# KiCad board pcb-O40.kicad_pcb
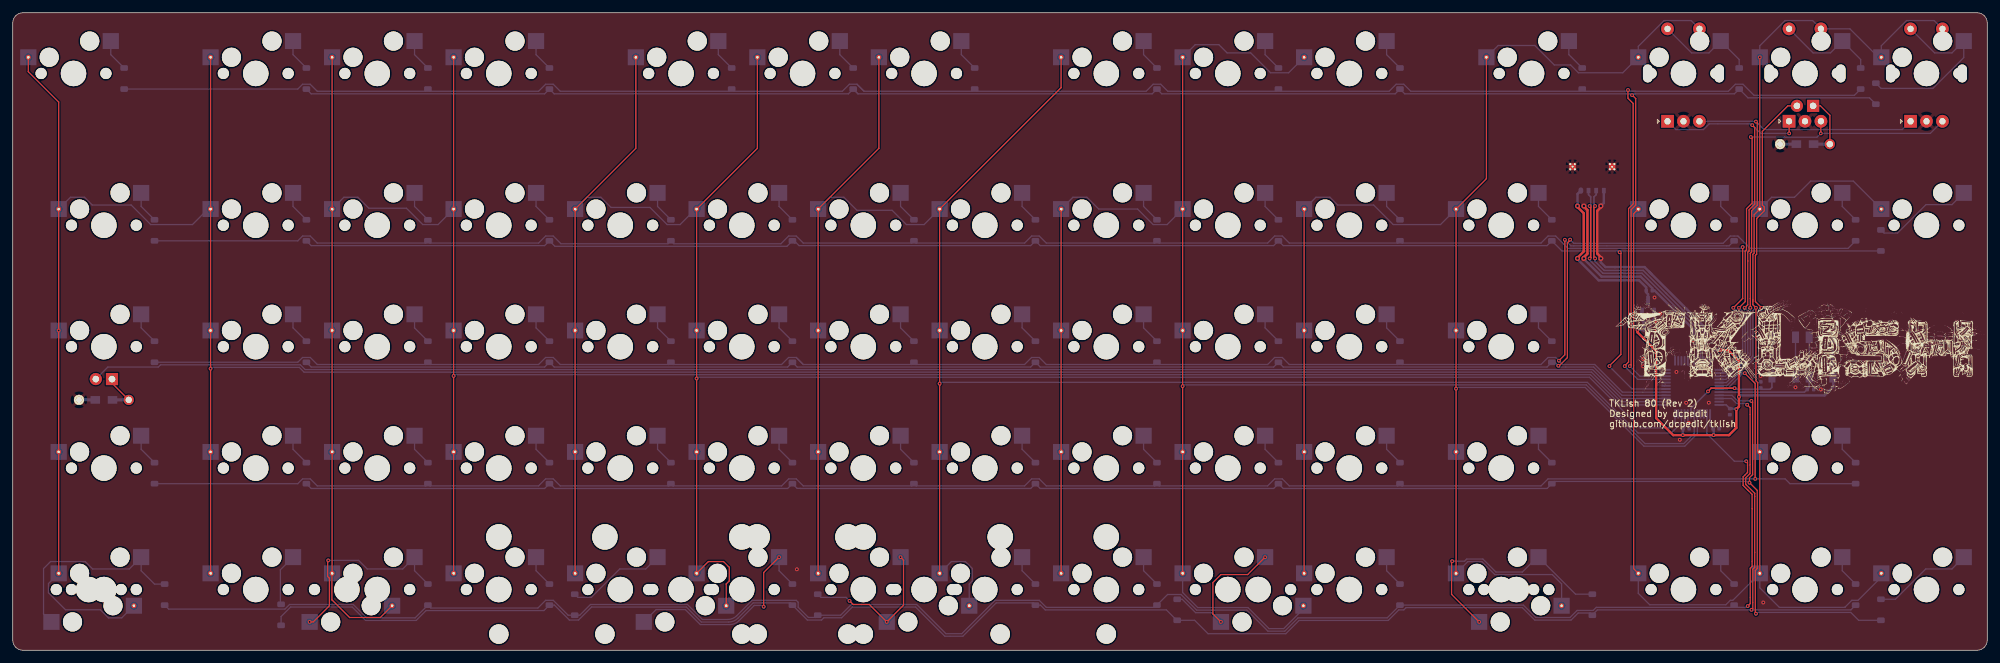
[diagram p0: board, top side]
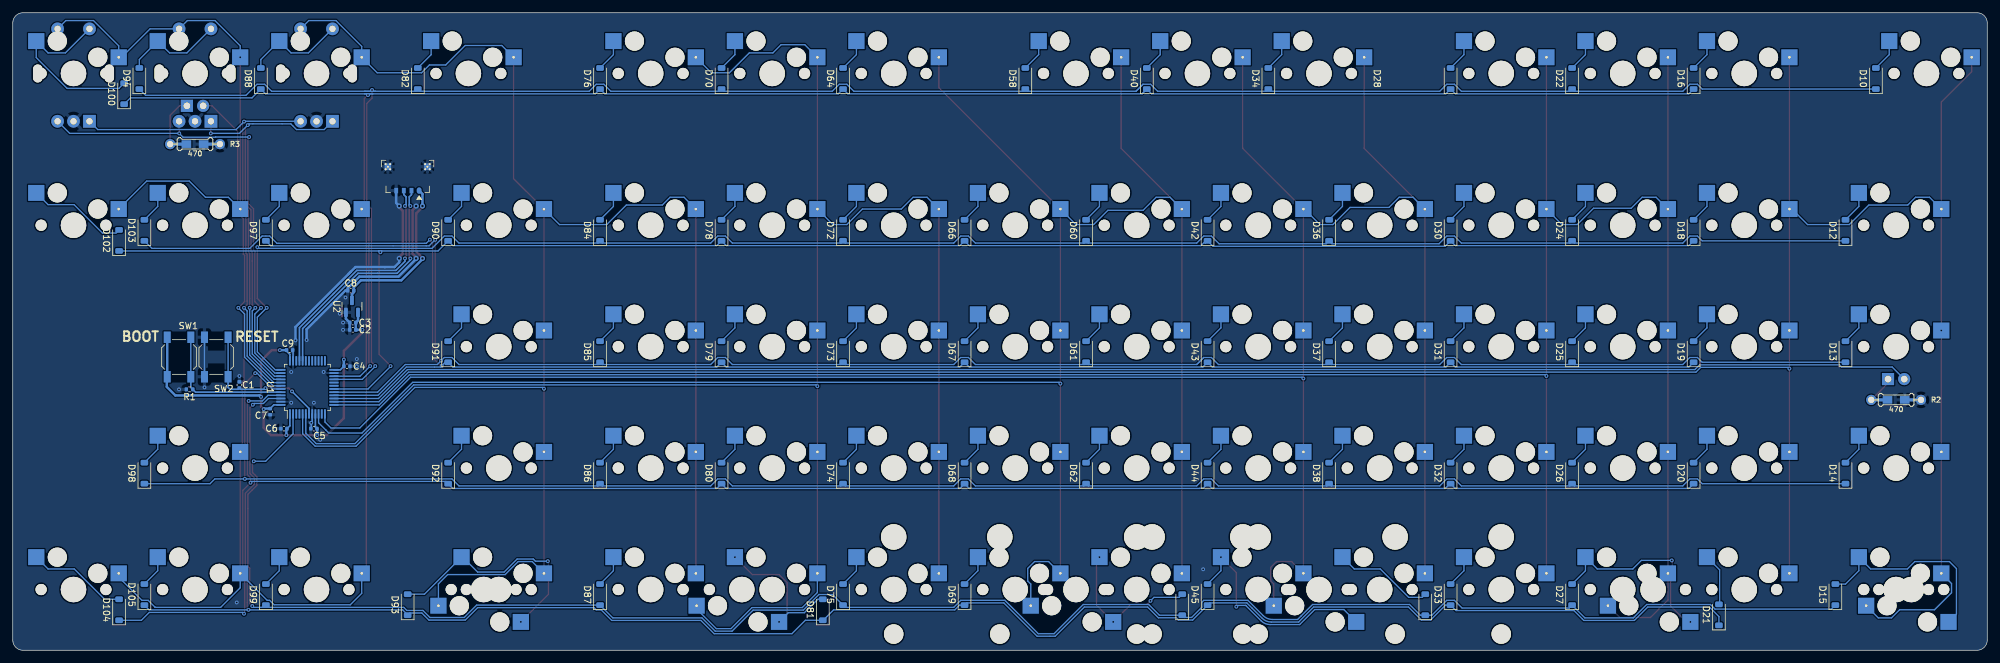
[diagram p1: board, bottom side, seen from below]

Outline 309.56 x 100.01 mm; copper layers: Top, Bottom. Coordinates in mm from the lower left corner of the outline.
Outline path: 0,98.42 0,1.59 arc(0.46,0.46) 1.59,0 307.98,0 arc(309.1,0.47) 309.56,1.59 309.56,98.42 arc(309.1,99.55) 307.98,100.01 1.59,100.01 arc(0.46,99.55) 0,98.42
Stack: Top 0.035mm / dielectric 1.51mm FR4 er 4.5 / Bottom 0.035mm

## Placement (name value [footprint] x y rotation side)
C1  100nF  [C_0402_1005Metric]  274.03 41.62 270 bottom
C2  4.7uF  [C_0402_1005Metric]  256.25 50.26 0 bottom
C3  100nF  [C_0402_1005Metric]  256.25 51.4 0 bottom
C4  100nF  [C_0402_1005Metric]  257.17 44.55 180 bottom
C5  100nF  [C_0402_1005Metric]  262.35 34.77 0 bottom
C6  100nF  [C_0402_1005Metric]  267.05 34.77 0 bottom
C7  100nF  [C_0402_1005Metric]  269.21 37.43 270 bottom
C8  1uF  [C_0402_1005Metric]  256.57 56.42 180 bottom
C9  1uF  [C_0402_1005Metric]  266.16 47.09 0 bottom
D10  ~  [D_SOD-123]  17.46 89.69 90 bottom
D12  ~  [D_SOD-123]  22.22 65.88 90 bottom
D13  ~  [D_SOD-123]  22.22 46.83 90 bottom
D14  ~  [D_SOD-123]  22.22 27.78 90 bottom
D15  ~  [D_SOD-123]  23.81 8.73 90 bottom
D16  ~  [D_SOD-123]  46.04 89.69 90 bottom
D18  ~  [D_SOD-123]  46.04 65.88 90 bottom
D19  ~  [D_SOD-123]  46.04 46.83 90 bottom
D20  ~  [D_SOD-123]  46.04 27.78 90 bottom
D21  ~  [D_SOD-123]  42.07 5.56 90 bottom
D22  ~  [D_SOD-123]  65.09 89.69 90 bottom
D24  ~  [D_SOD-123]  65.09 65.88 90 bottom
D25  ~  [D_SOD-123]  65.09 46.83 90 bottom
D26  ~  [D_SOD-123]  65.09 27.78 90 bottom
D27  ~  [D_SOD-123]  65.09 8.73 90 bottom
D28  ~  [D_SOD-123]  84.14 89.69 90 bottom
D30  ~  [D_SOD-123]  84.14 65.88 90 bottom
D31  ~  [D_SOD-123]  84.14 46.83 90 bottom
D32  ~  [D_SOD-123]  84.14 27.78 90 bottom
D33  ~  [D_SOD-123]  84.14 8.73 90 bottom
D34  ~  [D_SOD-123]  112.71 89.69 90 bottom
D36  ~  [D_SOD-123]  103.19 65.88 90 bottom
D37  ~  [D_SOD-123]  103.19 46.83 90 bottom
D38  ~  [D_SOD-123]  103.19 27.78 90 bottom
D39  ~  [D_SOD-123]  88.11 7.14 90 bottom
D40  ~  [D_SOD-123]  131.76 89.69 90 bottom
D42  ~  [D_SOD-123]  122.24 65.88 90 bottom
D43  ~  [D_SOD-123]  122.24 46.83 90 bottom
D44  ~  [D_SOD-123]  122.24 27.78 90 bottom
D45  ~  [D_SOD-123]  122.24 8.73 90 bottom
D58  ~  [D_SOD-123]  150.81 89.69 90 bottom
D60  ~  [D_SOD-123]  141.29 65.88 90 bottom
D61  ~  [D_SOD-123]  141.29 46.83 90 bottom
D62  ~  [D_SOD-123]  141.29 27.78 90 bottom
D63  ~  [D_SOD-123]  126.21 7.14 90 bottom
D64  ~  [D_SOD-123]  179.39 89.69 90 bottom
D66  ~  [D_SOD-123]  160.34 65.88 90 bottom
D67  ~  [D_SOD-123]  160.34 46.83 90 bottom
D68  ~  [D_SOD-123]  160.34 27.78 90 bottom
D69  ~  [D_SOD-123]  160.34 8.73 90 bottom
D70  ~  [D_SOD-123]  198.44 89.69 90 bottom
D72  ~  [D_SOD-123]  179.39 65.88 90 bottom
D73  ~  [D_SOD-123]  179.39 46.83 90 bottom
D74  ~  [D_SOD-123]  179.39 27.78 90 bottom
D75  ~  [D_SOD-123]  179.39 8.73 90 bottom
D76  ~  [D_SOD-123]  217.49 89.69 90 bottom
D78  ~  [D_SOD-123]  198.44 65.88 90 bottom
D79  ~  [D_SOD-123]  198.44 46.83 90 bottom
D80  ~  [D_SOD-123]  198.44 27.78 90 bottom
D81  ~  [D_SOD-123]  182.56 6.35 90 bottom
D82  ~  [D_SOD-123]  246.06 89.69 90 bottom
D84  ~  [D_SOD-123]  217.49 65.88 90 bottom
D85  ~  [D_SOD-123]  217.49 46.83 90 bottom
D86  ~  [D_SOD-123]  217.49 27.78 90 bottom
D87  ~  [D_SOD-123]  217.49 8.73 90 bottom
D88  ~  [D_SOD-123]  270.67 89.69 90 bottom
D90  ~  [D_SOD-123]  241.3 65.88 90 bottom
D91  ~  [D_SOD-123]  241.3 46.83 90 bottom
D92  ~  [D_SOD-123]  241.3 27.78 90 bottom
D93  ~  [D_SOD-123]  247.65 7.14 90 bottom
D94  ~  [D_SOD-123]  289.72 89.69 90 bottom
D97  ~  [D_SOD-123]  269.88 65.88 90 bottom
D98  ~  [D_SOD-123]  288.92 27.78 90 bottom
D99  ~  [D_SOD-123]  269.88 8.73 90 bottom
D100  ~  [D_SOD-123]  292.1 87.31 90 bottom
D102  ~  [D_SOD-123]  292.89 64.29 90 bottom
D103  ~  [D_SOD-123]  288.92 65.88 90 bottom
D104  ~  [D_SOD-123]  292.89 6.35 90 bottom
D105  ~  [D_SOD-123]  288.92 8.73 90 bottom
G***  LOGO  [logo_35]  280.8 45.47 0 top
J1  JST  [MOLEX_781710004_MountingReliefs]  247.65 72.11 0 bottom
MX10  MX-NoLED  [MXOnly-1U-Hotswap]  9.53 90.49 0 top
MX12  MX-NoLED  [MXOnly-1.5U-Hotswap]  14.29 66.67 0 top
MX13  MX-LED  [MXOnly-1.5U-Hotswap-LED]  14.29 47.62 0 top
MX14  MX-NoLED  [MXOnly-1.5U-Hotswap]  14.29 28.57 0 top
MX15  MX-NoLED  [MXOnly-1.5U-Hotswap]  14.29 9.53 0 top
MX15.125  MX-NoLED  [MXOnly-1.25U-Hotswap]  11.91 9.53 180 top
MX16  MX-NoLED  [MXOnly-1U-Hotswap]  38.1 90.49 0 top
MX18  MX-NoLED  [MXOnly-1U-Hotswap]  38.1 66.67 0 top
MX19  MX-NoLED  [MXOnly-1U-Hotswap]  38.1 47.62 0 top
MX20  MX-NoLED  [MXOnly-1U-Hotswap]  38.1 28.57 0 top
MX21  MX-NoLED  [MXOnly-1U-Hotswap]  38.1 9.53 0 top
MX22  MX-NoLED  [MXOnly-1U-Hotswap]  57.15 90.49 0 top
MX24  MX-NoLED  [MXOnly-1U-Hotswap]  57.15 66.67 0 top
MX25  MX-NoLED  [MXOnly-1U-Hotswap]  57.15 47.62 0 top
MX26  MX-NoLED  [MXOnly-1U-Hotswap]  57.15 28.57 0 top
MX27  MX-NoLED  [MXOnly-1U-Hotswap]  57.15 9.53 0 top
MX27.15  MX-NoLED  [MXOnly-1.5U-Hotswap]  52.39 9.53 180 top
MX28  MX-NoLED  [MXOnly-1U-Hotswap]  76.2 90.49 0 top
MX30  MX-NoLED  [MXOnly-1U-Hotswap]  76.2 66.67 0 top
MX31  MX-NoLED  [MXOnly-1U-Hotswap]  76.2 47.62 0 top
MX32  MX-NoLED  [MXOnly-1U-Hotswap]  76.2 28.57 0 top
MX33  MX-NoLED  [MXOnly-1U-Hotswap]  76.2 9.53 0 top
MX34  MX-NoLED  [MXOnly-1U-Hotswap]  104.78 90.49 0 top
MX36  MX-NoLED  [MXOnly-1U-Hotswap]  95.25 66.67 0 top
MX37  MX-NoLED  [MXOnly-1U-Hotswap]  95.25 47.62 0 top
MX38  MX-NoLED  [MXOnly-1U-Hotswap]  95.25 28.57 0 top
MX39  MX-NoLED  [MXOnly-1U-Hotswap]  95.25 9.53 0 top
MX40  MX-NoLED  [MXOnly-1U-Hotswap]  123.83 90.49 0 top
MX42  MX-NoLED  [MXOnly-1U-Hotswap]  114.3 66.67 0 top
MX43  MX-NoLED  [MXOnly-1U-Hotswap]  114.3 47.62 0 top
MX44  MX-NoLED  [MXOnly-1U-Hotswap]  114.3 28.57 0 top
MX45  MX-NoLED  [MXOnly-1U-Hotswap]  114.3 9.53 0 top
MX45.2  MX-NoLED  [MXOnly-2U-Hotswap]  104.78 9.53 180 top
MX58  MX-NoLED  [MXOnly-1U-Hotswap]  142.87 90.49 0 top
MX60  MX-NoLED  [MXOnly-1U-Hotswap]  133.35 66.67 0 top
MX61  MX-NoLED  [MXOnly-1U-Hotswap]  133.35 47.62 0 top
MX62  MX-NoLED  [MXOnly-1U-Hotswap]  133.35 28.57 0 top
MX63  MX-NoLED  [MXOnly-1U-Hotswap]  133.35 9.53 0 top
MX63.2  MX-NoLED  [MXOnly-2U-Hotswap]  142.87 9.53 180 top
MX64  MX-NoLED  [MXOnly-1U-Hotswap]  171.45 90.49 0 top
MX66  MX-NoLED  [MXOnly-1U-Hotswap]  152.4 66.67 0 top
MX67  MX-NoLED  [MXOnly-1U-Hotswap]  152.4 47.62 0 top
MX68  MX-NoLED  [MXOnly-1U-Hotswap]  152.4 28.57 0 top
MX69  MX-NoLED  [MXOnly-1U-Hotswap]  152.4 9.53 0 top
MX70  MX-NoLED  [MXOnly-1U-Hotswap]  190.5 90.49 0 top
MX72  MX-NoLED  [MXOnly-1U-Hotswap]  171.45 66.67 0 top
MX73  MX-NoLED  [MXOnly-1U-Hotswap]  171.45 47.62 0 top
MX74  MX-NoLED  [MXOnly-1U-Hotswap]  171.45 28.57 0 top
MX75  MX-NoLED  [MXOnly-1U-Hotswap]  171.45 9.53 0 top
MX76  MX-NoLED  [MXOnly-1U-Hotswap]  209.55 90.49 0 top
MX78  MX-NoLED  [MXOnly-1U-Hotswap]  190.5 66.67 0 top
MX79  MX-NoLED  [MXOnly-1U-Hotswap]  190.5 47.62 0 top
MX80  MX-NoLED  [MXOnly-1U-Hotswap]  190.5 28.57 0 top
MX81  MX-NoLED  [MXOnly-1U-Hotswap]  190.5 9.53 0 top
MX81.15  MX-NoLED  [MXOnly-1.5U-Hotswap]  195.26 9.53 180 top
MX82  MX-NoLED  [MXOnly-1U-Hotswap]  238.12 90.49 0 top
MX84  MX-NoLED  [MXOnly-1U-Hotswap]  209.55 66.67 0 top
MX85  MX-NoLED  [MXOnly-1U-Hotswap]  209.55 47.62 0 top
MX86  MX-NoLED  [MXOnly-1U-Hotswap]  209.55 28.57 0 top
MX87  MX-NoLED  [MXOnly-1U-Hotswap]  209.55 9.53 0 top
MX88  MX-NoLED  [MXOnly-1U-Hotswap]  261.94 90.49 0 top
MX90  MX-NoLED  [MXOnly-1.5U-Hotswap]  233.36 66.67 0 top
MX91  MX-NoLED  [MXOnly-1.5U-Hotswap]  233.36 47.62 0 top
MX92  MX-NoLED  [MXOnly-1.5U-Hotswap]  233.36 28.57 0 top
MX93  MX-NoLED  [MXOnly-1.5U-Hotswap]  233.36 9.53 0 top
MX93.125  MX-NoLED  [MXOnly-1.25U-Hotswap]  235.74 9.53 180 top
MX94  MX-LED  [MXOnly-1U-Hotswap-LED]  280.99 90.49 0 top
MX97  MX-NoLED  [MXOnly-1U-Hotswap]  261.94 66.67 0 top
MX98  MX-NoLED  [MXOnly-1U-Hotswap]  280.99 28.57 0 top
MX99  MX-NoLED  [MXOnly-1U-Hotswap]  261.94 9.53 0 top
MX100  MX-NoLED  [MXOnly-1U-Hotswap]  300.04 90.49 0 top
MX102  MX-NoLED  [MXOnly-1U-Hotswap]  300.04 66.67 0 top
MX103  MX-NoLED  [MXOnly-1U-Hotswap]  280.99 66.67 0 top
MX104  MX-NoLED  [MXOnly-1U-Hotswap]  300.04 9.53 0 top
MX105  MX-NoLED  [MXOnly-1U-Hotswap]  280.99 9.53 0 top
R1  10k  [R_0402_1005Metric]  281.84 40.93 180 bottom
R2  470  [Resistor-Hybrid-Back]  14.29 39.28 0 top
R3  470  [Resistor-Hybrid-Back]  280.99 79.4 0 top
REF**  3U  [MXOnly-3U-Hotswap]  152.4 9.53 180 top
REF**#2  3U  [MXOnly-3U-Hotswap]  95.25 9.53 180 top
SW1  RST  [SW_SPST_SKQG_WithoutStem]  283.5 46.01 90 bottom
SW2  RST  [SW_SPST_SKQG_WithoutStem]  277.65 46.01 90 bottom
SWR1  RotaryEncoder_Switch  [RotaryEncoder_EC11_Nonplated]  261.94 90.49 90 top
SWR2  RotaryEncoder_Switch  [RotaryEncoder_EC11_Nonplated]  280.99 90.49 90 top
SWR3  RotaryEncoder_Switch  [RotaryEncoder_EC11_Nonplated]  300.04 90.49 90 top
U1  STM32F072C8Tx  [LQFP-48_7x7mm_P0.5mm]  263.37 41.24 90 bottom
U2  XC6206PxxxMR-Regulator_Linear  [SOT-23]  256.38 53.95 90 bottom

## Library data of the parts
C1 C3-C7 = -: LCSC: C307331; ki_fp_filters: C_*
C2 = -: LCSC: C23733; ki_fp_filters: C_*
C8 C9 = -: LCSC: C52923; ki_fp_filters: C_*
D10 D12-D16 D18-D22 D24-D28 D30-D34 D36-D40 D42-D45 D58 D60-D64 D66-D70 D72-D76 D78-D82 D84-D88 D90-D94 D97-D100 D102-D105 = -: LCSC: C81598; ki_fp_filters: TO-???* *_Diode_* *SingleDiode* D_*
J1 = -: LCSC: C588524; ki_fp_filters: Connector*:*_1x??-1MP*
R1 = -: LCSC: C25744; ki_fp_filters: R_*
R2 R3 = -: ki_fp_filters: R_*
SW1 SW2 = -: LCSC: C318884
SWR1-SWR3 = -: ki_fp_filters: RotaryEncoder*Switch*
U1 = -: Datasheet: http://www.st.com/st-web-ui/static/active/en/resource/technical/document/datasheet/DM00090510.pdf; LCSC: C80488; ki_fp_filters: LQFP*7x7mm*P0.5mm*
U2 = -: Datasheet: https://www.torexsemi.com/file/xc6206/XC6206.pdf; LCSC: C5446; ki_fp_filters: SOT?23*

## Footprints (pads in the part's own frame, mm; a bottom-side part is the same pattern mirrored in y, then rotated)
C_0402_1005Metric
  rrect 0.56x0.62 smd: 1(-0.48,0) 2(0.48,0)
D_SOD-123
  rrect 0.9x1.2 smd: 1(-1.65,0) 2(1.65,0)
LQFP-48_7x7mm_P0.5mm
  rrect 1.475x0.3 smd: 1(-4.162,2.75) 2(-4.162,2.25) 3(-4.162,1.75) 4(-4.162,1.25) 5(-4.162,0.75) 6(-4.162,0.25) 7(-4.162,-0.25) 8(-4.162,-0.75) 9(-4.162,-1.25) 10(-4.162,-1.75) 11(-4.162,-2.25) 12(-4.162,-2.75) 25(4.162,-2.75) 26(4.162,-2.25) 27(4.162,-1.75) 28(4.162,-1.25) 29(4.162,-0.75) 30(4.162,-0.25) 31(4.162,0.25) 32(4.162,0.75) 33(4.162,1.25) 34(4.162,1.75) 35(4.162,2.25) 36(4.162,2.75)
  rrect 0.3x1.475 smd: 13(-2.75,-4.162) 14(-2.25,-4.162) 15(-1.75,-4.162) 16(-1.25,-4.162) 17(-0.75,-4.162) 18(-0.25,-4.162) 19(0.25,-4.162) 20(0.75,-4.162) 21(1.25,-4.162) 22(1.75,-4.162) 23(2.25,-4.162) 24(2.75,-4.162) 37(2.75,4.162) 38(2.25,4.162) 39(1.75,4.162) 40(1.25,4.162) 41(0.75,4.162) 42(0.25,4.162) 43(-0.25,4.162) 44(-0.75,4.162) 45(-1.25,4.162) 46(-1.75,4.162) 47(-2.25,4.162) 48(-2.75,4.162)
MOLEX_781710004_MountingReliefs
  rrect 0.75x1 smd: 1(-1.8,0)
  rect 0.6x0.85 smd: 2(-0.6,0) 3(0.6,0) 4(1.8,0)
  round 0.4 hole 0.3: MP(-3.45,-4.15) MP(-3.45,-3.35) MP(-3.1,-3.75) MP(-2.75,-4.15) MP(-2.75,-3.35) MP(2.75,-4.15) MP(2.75,-3.35) MP(3.1,-3.75) MP(3.45,-4.15) MP(3.45,-3.35)
  rect 1x1 smd far side: MP(-3.1,-3.75) MP(3.1,-3.75)
  rect 1x1 smd: MP(-3.1,-3.75) MP(3.1,-3.75)
MXOnly-1.5U-Hotswap
  round 1.75 hole 1.75 unplated: (-5.08,0) (5.08,0)
  round 3 hole 3 unplated: (-3.81,2.54) (2.54,5.08)
  round 3.988 hole 3.988 unplated: (0,0)
  round 0.8 hole 0.4: 1(-7.085,2.54)
  rect 2.55x2.5 smd far side: 1(-7.085,2.54) 2(5.842,5.08)
MXOnly-1.5U-Hotswap-LED
  round 1.75 hole 1.75 unplated: (-5.08,0) (5.08,0)
  round 3 hole 3 unplated: (-3.81,2.54) (2.54,5.08)
  round 3.988 hole 3.988 unplated: (0,0)
  rect 2.55x2.5 smd far side: 1(-7.085,2.54) 2(5.842,5.08)
  round 1.905 hole 1.04: 3(-1.27,-5.08)
  rect 1.905x1.905 hole 1.04: 4(1.27,-5.08)
MXOnly-1.25U-Hotswap
  round 1.75 hole 1.75 unplated: (-5.08,0) (5.08,0)
  round 3 hole 3 unplated: (-3.81,2.54) (2.54,5.08)
  round 3.988 hole 3.988 unplated: (0,0)
  round 0.8 hole 0.4: 1(-7.085,2.54)
  rect 2.55x2.5 smd far side: 1(-7.085,2.54) 2(5.842,5.08)
MXOnly-1U-Hotswap
  round 1.75 hole 1.75 unplated: (-5.08,0) (5.08,0)
  round 3 hole 3 unplated: (-3.81,2.54) (2.54,5.08)
  round 3.988 hole 3.988 unplated: (0,0)
  round 0.8 hole 0.4: 1(-7.085,2.54)
  rect 2.55x2.5 smd far side: 1(-7.085,2.54) 2(5.842,5.08)
MXOnly-1U-Hotswap-LED
  round 1.75 hole 1.75 unplated: (-5.08,0) (5.08,0)
  round 3 hole 3 unplated: (-3.81,2.54) (2.54,5.08)
  round 3.988 hole 3.988 unplated: (0,0)
  rect 2.55x2.5 smd far side: 1(-7.085,2.54) 2(5.842,5.08)
  round 1.905 hole 1.04: 3(-1.27,-5.08)
  rect 1.905x1.905 hole 1.04: 4(1.27,-5.08)
MXOnly-2U-Hotswap
  round 3.048 hole 3.048 unplated: (-11.938,6.985) (11.938,6.985)
  round 3.988 hole 3.988 unplated: (-11.938,-8.255) (0,0) (11.938,-8.255)
  round 1.75 hole 1.75 unplated: (-5.08,0) (5.08,0)
  round 3 hole 3 unplated: (-3.81,2.54) (2.54,5.08)
  round 0.8 hole 0.4: 1(-7.085,2.54)
  rect 2.55x2.5 smd far side: 1(-7.085,2.54) 2(5.842,5.08)
MXOnly-3U-Hotswap
  round 3.048 hole 3.048 unplated: (-19.05,6.985) (19.05,6.985)
  round 3.988 hole 3.988 unplated: (-19.05,-8.255) (19.05,-8.255)
R_0402_1005Metric
  rrect 0.54x0.64 smd: 1(-0.51,0) 2(0.51,0)
Resistor-Hybrid-Back
  rect 1.5x1.2 smd far side: 1(1.35,0) 2(-1.35,0)
  rect 2.9x0.5 smd far side: 1(2.5,0) 2(-2.5,0)
  round 1.6 hole 1: 1(3.9,0) 2(-3.9,0)
RotaryEncoder_EC11_Nonplated
  oval 3.2x2 hole 2.8x1.5 unplated: (0,5.6) (0,-5.6)
  rect 2x2 hole 1: A(-7.5,2.5)
  round 2 hole 1: B(-7.5,-2.5) C(-7.5,0) S1(7,-2.5) S2(7,2.5)
SOT-23
  rrect 1.475x0.6 smd: 1(-0.938,0.95) 2(-0.938,-0.95) 3(0.938,0)
SW_SPST_SKQG_WithoutStem
  rect 1.8x1.1 smd: 1(-3.1,1.85) 1(3.1,1.85) 2(-3.1,-1.85) 2(3.1,-1.85)

## Nets
+3V3: C2.1 C3.1 C4.1 C5.1 C6.1 C7.1 C9.2 SW1.1 U1.1 U1.9 U1.24 U1.36 U1.48 U2.2
+5V: C8.2 J1.1 U2.3
GND: C1.1 C2.2 C3.2 C4.2 C5.2 C6.2 C7.2 C8.1 C9.1 J1.4 J1.MP R1.1 R2.2 R3.2 SW2.1 SWR1.C SWR2.C SWR3.C U1.8 U1.23 U1.35 U1.47 U2.1
BOOT0: R1.2 SW1.2 U1.44
COL0: MX10.1 MX12.1 MX13.1 MX14.1 MX15.1 MX15.125.1 MX16.1 MX18.1 MX19.1 MX20.1 MX21.1 U1.14
COL1: MX22.1 MX24.1 MX25.1 MX26.1 MX27.1 MX27.15.1 MX28.1 MX30.1 MX31.1 MX32.1 MX33.1 U1.13
COL2: MX34.1 MX36.1 MX37.1 MX38.1 MX39.1 MX40.1 MX42.1 MX43.1 MX44.1 MX45.1 MX45.2.1 U1.12
COL4: MX58.1 MX60.1 MX61.1 MX62.1 MX63.1 MX63.2.1 MX64.1 MX66.1 MX67.1 MX68.1 MX69.1 U1.10
COL5: MX70.1 MX72.1 MX73.1 MX74.1 MX75.1 MX76.1 MX78.1 MX79.1 MX80.1 MX81.1 MX81.15.1 U1.6
COL6: MX82.1 MX84.1 MX85.1 MX86.1 MX87.1 MX88.1 MX90.1 MX91.1 MX92.1 MX93.1 MX93.125.1 SWR1.S1 U1.5
COL7: MX94.1 MX97.1 MX98.1 MX99.1 MX100.1 MX102.1 MX103.1 MX104.1 MX105.1 SWR2.S1 SWR3.S1 U1.41
D_N: J1.2 U1.32
D_P: J1.3 U1.33
LED_CAPS: MX13.3 U1.15
LED_SLCK: MX94.3 U1.42
NRST: C1.2 SW2.2 U1.7
RE1: SWR1.A SWR2.A U1.39
RE2: SWR1.B SWR3.A U1.40
RE3: SWR2.B SWR3.B U1.38
ROW0: D10.1 D22.1 D34.1 D58.1 D70.1 D82.1 D94.1 U1.21
ROW2: D12.1 D24.1 D36.1 D60.1 D72.1 D84.1 U1.37
ROW3: D13.1 D25.1 D37.1 D61.1 D73.1 D85.1 D97.1 U1.17
ROW4: D14.1 D26.1 D38.1 D62.1 D74.1 D86.1 D98.1 U1.43
ROW5: D15.1 D27.1 D39.1 D63.1 D75.1 D87.1 D99.1 U1.2
ROW6: D16.1 D28.1 D40.1 D64.1 D76.1 D88.1 D100.1 U1.22
ROW8: D18.1 D30.1 D42.1 D66.1 D78.1 D90.1 D102.1 U1.18
ROW9: D19.1 D31.1 D43.1 D67.1 D79.1 D91.1 D103.1 U1.16
ROW10: D20.1 D32.1 D44.1 D68.1 D80.1 D92.1 D104.1 U1.45
ROW11: D21.1 D33.1 D45.1 D69.1 D81.1 D93.1 D105.1 U1.46
SWDCLK: U1.31
SWDIO: U1.34
Net-(D10-A): D10.2 MX10.2
Net-(D12-A): D12.2 MX12.2
Net-(D13-A): D13.2 MX13.2
Net-(D14-A): D14.2 MX14.2
Net-(D15-A): D15.2 MX15.2 MX15.125.2
Net-(D16-A): D16.2 MX16.2
Net-(D18-A): D18.2 MX18.2
Net-(D19-A): D19.2 MX19.2
Net-(D20-A): D20.2 MX20.2
Net-(D21-A): D21.2 MX21.2
Net-(D22-A): D22.2 MX22.2
Net-(D24-A): D24.2 MX24.2
Net-(D25-A): D25.2 MX25.2
Net-(D26-A): D26.2 MX26.2
Net-(D27-A): D27.2 MX27.2 MX27.15.2
Net-(D28-A): D28.2 MX28.2
Net-(D30-A): D30.2 MX30.2
Net-(D31-A): D31.2 MX31.2
Net-(D32-A): D32.2 MX32.2
Net-(D33-A): D33.2 MX33.2
Net-(D34-A): D34.2 MX34.2
Net-(D36-A): D36.2 MX36.2
Net-(D37-A): D37.2 MX37.2
Net-(D38-A): D38.2 MX38.2
Net-(D39-A): D39.2 MX39.2
Net-(D40-A): D40.2 MX40.2
Net-(D42-A): D42.2 MX42.2
Net-(D43-A): D43.2 MX43.2
Net-(D44-A): D44.2 MX44.2
Net-(D45-A): D45.2 MX45.2 MX45.2.2
Net-(D58-A): D58.2 MX58.2
Net-(D60-A): D60.2 MX60.2
Net-(D61-A): D61.2 MX61.2
Net-(D62-A): D62.2 MX62.2
Net-(D63-A): D63.2 MX63.2 MX63.2.2
Net-(D64-A): D64.2 MX64.2
Net-(D66-A): D66.2 MX66.2
Net-(D67-A): D67.2 MX67.2
Net-(D68-A): D68.2 MX68.2
Net-(D69-A): D69.2 MX69.2
Net-(D70-A): D70.2 MX70.2
Net-(D72-A): D72.2 MX72.2
Net-(D73-A): D73.2 MX73.2
Net-(D74-A): D74.2 MX74.2
Net-(D75-A): D75.2 MX75.2
Net-(D76-A): D76.2 MX76.2
Net-(D78-A): D78.2 MX78.2
Net-(D79-A): D79.2 MX79.2
Net-(D80-A): D80.2 MX80.2
Net-(D81-A): D81.2 MX81.2 MX81.15.2
Net-(D82-A): D82.2 MX82.2
Net-(D84-A): D84.2 MX84.2
Net-(D85-A): D85.2 MX85.2
Net-(D86-A): D86.2 MX86.2
Net-(D87-A): D87.2 MX87.2
Net-(D88-A): D88.2 MX88.2 SWR1.S2
Net-(D90-A): D90.2 MX90.2
Net-(D91-A): D91.2 MX91.2
Net-(D92-A): D92.2 MX92.2
Net-(D93-A): D93.2 MX93.2 MX93.125.2
Net-(D94-A): D94.2 MX94.2 SWR2.S2
Net-(D97-A): D97.2 MX97.2
Net-(D98-A): D98.2 MX98.2
Net-(D99-A): D99.2 MX99.2
Net-(D100-A): D100.2 MX100.2 SWR3.S2
Net-(D102-A): D102.2 MX102.2
Net-(D103-A): D103.2 MX103.2
Net-(D104-A): D104.2 MX104.2
Net-(D105-A): D105.2 MX105.2
Net-(MX13-LEDGND): MX13.4 R2.1
Net-(MX94-LEDGND): MX94.4 R3.1

Pads without a net: U1 3 4 11 19 20 25 26 27 28 29 30

## Via types
v1: diameter 0.6, hole 0.3, Top to Bottom, 82 vias
v2: diameter 0.8, hole 0.4, Top to Bottom, 6 vias

## Routing (per net, layer and track width the routed paths; a pad name or vN(x,y) marks a point on that pad's centre or on a via; arc(x,y) is an arc through that point)
+3V3: length 86.4
  Top w0.381: v1(254.73,50.26) 254.73,49.88 257.65,46.96 v1(257.65,45.59) 257.65,36.42 260.32,33.75 v1(261.84,33.75) v1(266.67,33.75) 269.08,33.75 270.22,34.89 v1(270.22,37.81) 270.64,38.23 v1(270.64,39.75) 270.64,45.4 268.95,47.09 v1(267.68,47.09)
  Bottom w0.254: C9.2 266.64,46.93 266.12,46.41 U1.36 ; C6.1 266.12,35.22 U1.1 ; U1.48 268.63,38.49 C7.1 ; C4.1 258.2,43.99 U1.24 ; U1.9 262.12,35.01 C5.1
  Bottom w0.381: SW1.1 SW1.1 ; v1(257.65,45.59) C4.1 ; C5.1 261.84,34.74 v1(261.84,33.75) ; 255.43,53.01 255.43,51.75 C3.1 C2.1 v1(254.73,50.26) ; C6.1 266.67,34.67 v1(266.67,33.75) ; v1(270.22,37.81) 270.13,37.91 C7.1 ; v1(270.64,39.75) 270.86,39.98 284.07,39.98 285.41,41.32 285.41,42.91 ; v1(267.68,47.09) C9.2
+5V: length 26.3
  Top w0.381: v2(245.32,61.47) 245.32,61.59 246.3,62.56 246.3,68.55 245.32,69.52 v2(245.32,69.69)
  Bottom w0.381: C8.2 256.09,56.93 254.98,58.04 248.64,58.04 245.32,61.35 v2(245.32,61.47) ; 256.09,56.14 256.38,55.85 256.38,54.88 ; v2(245.32,69.69) 245.32,71.59 J1.1
GND: length 81.1
  Top w0.381: v2(246.32,61.47) 246.32,61.67 246.88,62.23 246.88,69.06 246.32,69.61 v2(246.32,69.69) ; v2(248.98,61.47) 248.98,61.67 248.42,62.23 248.42,68.93 248.98,69.48 v2(248.98,69.69)
  Bottom w0.2: SW2.1 SW2.1
  Bottom w0.254: U1.35 265.62,47.02 C9.1 ; U1.8 262.62,35.83 v1(262.76,35.69) 262.76,34.83 C5.2
  Bottom w0.381: 262.83,35.62 v1(262.76,35.69) ; v1(263.49,48.67) 263.49,50.35 257.42,56.42 C8.1 257.05,56.79 255.22,58.62 249.1,58.62 246.32,61.39 v2(246.32,61.47) 246.32,61.32 ; 256.59,59.36 265.24,50.7 v1(265.24,48.61) 265.13,48.72 ; 256.59,59.36 256.97,58.98 ; 256.59,59.36 255.84,60.11 249.71,60.11 248.98,60.85 v2(248.98,61.47) ; C2.2 C3.2 257.33,52 257.33,53.01 ; v2(248.98,69.69) 249.45,70.17 J1.4
  vias: v1(122.94,12.7) v1(255.62,45.69) v1(255.62,44.55) v1(257.4,55.34) v1(257.78,51.4) v1(257.78,50.26) v1(258.29,52.8) v1(260.83,43.66) v1(261.37,33.02) v1(262.35,38.83) v1(265.91,43.66) v1(265.91,38.83) v1(274.03,43.02) v1(274.45,7.49) v1(279.5,41.24) v1(283.5,40.93)
BOOT0: length 22.3
  Bottom w0.2: SW1.2 SW1.2
  Bottom w0.254: U1.44 280.9,40.49 R1.2 281.65,41.24 SW1.2
COL0: length 441.3
  Top w0.2: MX16.1 MX18.1 MX19.1 31.01,44.2 ; MX10.1 2.44,90.76 7.2,86 MX12.1 v1(7.2,50.17) MX14.1 MX15.1 ; 31.01,44.2 MX20.1 MX21.1 ; 31.01,44.2 v1(31.01,44.18)
  Bottom w0.2: MX18.1 30.61,69.21 28.17,66.78 21.63,66.78 18.56,69.85 12.46,69.85 11.24,71.06 9.05,71.06 MX12.1 ; U1.14 252.16,38.99 247.52,43.63 45.67,43.63 44.92,44.38 31.22,44.38 v1(31.01,44.18) ; MX15.125.1 17.09,5.08 15,5.08 13.73,6.35 8.27,6.35 5.6,9.02 5.6,10.46 MX15.1
COL1: length 392.2
  Top w0.2: 69.11,43.05 MX31.1 MX30.1 MX28.1 ; 69.11,43.05 MX32.1 MX33.1 ; 69.11,43.05 v1(69.11,43.03) ; MX27.15.1 57.62,5.13 52.81,5.13 50.04,7.9 50.04,12.04 MX27.1 MX26.1 MX25.1 MX24.1 MX22.1
  Bottom w0.2: MX30.1 66.68,66.78 64.28,66.78 61.72,69.34 55.83,69.34 54.11,71.06 51.91,71.06 MX24.1 ; U1.13 252.09,38.49 247.36,43.23 69.31,43.23 v1(69.11,43.03)
COL2: length 363.4
  Top w0.2: 107.22,42.67 MX44.1 MX45.1 109.06,13.92 111.43,13.92 112.34,13.01 112.34,10.88 111.86,10.4 MX45.2.1 ; 107.22,42.67 v1(107.22,42.63) ; 107.22,42.67 MX43.1 MX42.1 116.74,78.74 MX40.1 ; MX39.1 MX38.1 MX37.1 MX36.1 97.69,78.74 MX34.1
  Bottom w0.2: MX36.1 90.01,71.06 92.21,71.06 93.8,69.47 99.9,69.47 102.59,66.78 104.63,66.78 107.06,69.21 MX42.1 ; v1(107.22,42.63) 107.41,42.83 247.19,42.83 255.15,34.87 259.68,34.87 260.62,35.81 U1.12
COL4: length 330.8
  Top w0.2: MX64.1 164.36,88.26 MX66.1 MX67.1 145.31,41.53 ; 145.31,41.53 v1(145.31,41.83) ; 145.31,41.53 MX68.1 MX69.1 ; MX58.1 135.79,78.74 MX60.1 MX61.1 MX62.1 MX63.1
  Bottom w0.2: MX66.1 142.88,66.78 140.1,66.78 137.86,69.02 132.35,69.02 130.31,71.06 128.11,71.06 MX60.1 ; U1.10 261.62,35.68 260.48,34.54 260.01,34.07 254.82,34.07 246.86,42.03 145.52,42.03 v1(145.31,41.83) ; MX63.2.1 149.96,10.39 150.44,10.87 150.44,12.83 149.36,13.92 147.16,13.92 MX69.1
COL5: length 297.3
  Top w0.2: 183.41,41.4 MX79.1 MX78.1 MX70.1 ; 183.41,41.4 v1(183.41,41.43) ; 183.41,41.4 MX80.1 MX81.1 ; MX72.1 MX73.1 MX74.1 MX75.1
  Bottom w0.2: U1.6 263.62,34.05 261.98,32.42 255.9,32.42 246.69,41.63 183.61,41.63 v1(183.41,41.43) ; MX81.15.1 202.35,6.48 199.26,3.4 196.95,3.4 193.65,6.69 185.78,6.69 183.41,9.06 MX81.1 ; MX78.1 180.98,66.78 178.79,66.78 176.36,69.22 170.26,69.22 168.41,71.06 166.22,71.06 MX72.1 ; MX70.1 185.38,95 189.1,95 190.38,93.72 194.08,93.72 197.21,90.59 200.03,90.59 MX76.1
COL6: length 276.2
  Top w0.2: 226.28,41.02 MX92.1 MX93.1 ; 226.28,41.02 v1(226.28,41.03) ; 226.28,41.02 MX91.1 MX90.1 231.04,73.98 MX82.1 ; MX87.1 MX86.1 MX85.1 MX84.1
  Bottom w0.2: SWR1.S1 263.14,98.79 258.9,98.79 254.85,94.74 MX88.1 252.42,90.59 245.46,90.59 244.24,91.82 241.68,91.82 238.62,94.88 232.89,94.88 MX82.1 ; U1.5 264.12,33.99 262.15,32.02 255.74,32.02 246.53,41.23 226.48,41.23 v1(226.28,41.03) ; MX93.125.1 242.83,10.42 241.37,11.87 232.36,11.87 230.32,13.91 228.13,13.91 MX93.1 ; MX84.1 204.31,71.06 206.51,71.06 207.72,69.85 213.36,69.85 216.43,66.78 223.84,66.78 MX90.1
COL7: length 266
  Top w0.2: MX97.1 254.13,68.49 254.13,12.79 MX99.1 ; 272.81,54.99 272.81,54.21 v1(273.3,53.72) 273.3,42.28 273.58,42 273.58,31.35 273.81,31.12 MX98.1 MX105.1 ; 272.82,54.74 272.82,62.11 273.02,62.31 273.02,68.33 MX103.1 v1(273.9,93.03)
  Bottom w0.2: U1.41 268.66,41.99 272.81,46.15 272.81,53.23 v1(273.3,53.72) ; MX103.1 275.75,71.06 279.35,71.06 281.88,73.61 288.56,73.61 MX102.1 ; v1(273.9,93.03) 273.9,94.83 277.86,98.79 282.19,98.79 SWR2.S1 288.03,97.49 292.49,93.03 MX100.1 292.95,94.83 296.91,98.79 301.24,98.79 SWR3.S1 ; MX99.1 254.85,8.93 256.65,7.13 268.58,7.13 269.28,7.83 269.67,7.83 MX105.1 273.9,9.8 276.97,6.73 287.27,6.73 287.27,6.78 288.33,7.83 289.31,7.83 292.95,11.48 MX104.1
D_N: length 37.6
  Top w0.254: v1(247.22,69.69) 247.4,69.52 247.4,61.64 v1(247.22,61.47)
  Bottom w0.254: v1(247.22,69.69) 247.4,69.86 247.4,71.13 247.05,71.47 J1.2 ; v1(247.22,61.47) 247.22,61.22 249.31,59.14 255.44,59.14 264.12,50.46 U1.32
D_P: length 37.5
  Top w0.254: v1(248.08,61.47) 247.9,61.64 247.9,69.52 v1(248.08,69.69)
  Bottom w0.254: v1(248.08,69.69) 247.9,69.86 247.9,71.13 248.25,71.47 J1.3 ; U1.33 264.62,50.6 255.62,59.59 249.5,59.59 248.08,61.02 v1(248.08,61.47)
LED_CAPS: length 249.3
  Bottom w0.2: MX13.3 14.9,44.43 22.82,44.43 23.17,44.78 45.09,44.78 45.84,44.03 247.69,44.03 252.23,39.49 U1.15
LED_SLCK: length 51.5
  Top w0.2: v1(274.19,53.72) 273.22,54.7 273.22,61.95 273.42,62.15 273.42,67.74 274.6,68.93 274.6,69.55 274.3,69.85 274.3,81.4 278.31,85.41 MX94.3
  Bottom w0.2: U1.42 268.73,41.49 273.21,45.98 273.21,52.74 v1(274.19,53.72)
NRST: length 23.1
  Top w0.254: v1(265.78,40.61) 266.29,41.12 v1(269.95,41.12)
  Bottom w0.2: SW2.2 SW2.2
  Bottom w0.254: SW2.2 275.8,41.23 275.52,40.95 274.23,40.95 C1.2 273.84,40.95 270.12,40.95 v1(269.95,41.12) ; U1.7 263.12,37.95 v1(265.78,40.61)
RE1: length 65.4
  Top w0.2: v1(271.53,53.72) 272.02,54.21 272.02,61.09 272.02,62.44 272.22,62.65 272.22,69.09 273.1,69.98 273.1,82 v1(272.72,82.38) ; SWR2.A 278.51,82.96 v1(278.51,81.09)
  Bottom w0.2: v1(271.53,53.72) 272.02,53.23 272.02,46.48 268.53,42.99 U1.39 ; v1(278.51,81.09) 274.02,81.09 v1(272.72,82.38) 272.52,82.59 265.98,82.59 265.08,81.69 260.74,81.69 SWR1.A
RE2: length 77.8
  Top w0.2: v1(272.41,53.72) 272.41,55.16 272.42,55.16 272.42,62.28 272.62,62.48 272.62,68.92 273.5,69.8 273.5,82.73 v1(273.3,82.93)
  Bottom w0.2: SWR3.A 296.24,81.69 274.55,81.69 v1(273.3,82.93) 273.25,82.99 SWR1.B ; U1.40 268.6,42.49 272.41,46.31 v1(272.41,53.72)
RE3: length 73.9
  Top w0.2: SWR2.B 283.46,82.96 v1(283.46,81.09) ; v1(270.64,53.72) 271.62,54.7 271.62,62.61 271.82,62.81 271.82,69.26 272.7,70.14 272.7,80.32 v1(272.5,80.52) 272.54,80.52 272.7,80.36
  Bottom w0.2: v1(272.5,80.52) 277.75,80.52 277.78,80.49 282.86,80.49 v1(283.46,81.09) 300.64,81.09 SWR3.B ; U1.38 268.47,43.49 271.62,46.64 271.62,52.74 v1(270.64,53.72)
ROW0: length 334.6
  Top w0.2: v1(253.24,87.89) 253.24,86.59 254.05,85.78 254.05,70.02 253.33,69.29 253.33,45.23 252.73,44.63 v1(252.73,44.58)
  Bottom w0.2: 254.38,87.69 252.73,87.69 ; 254.38,87.69 253.44,87.69 v1(253.24,87.89) 253.04,87.69 252.73,87.69 ; 254.38,87.69 268.97,87.69 270.07,88.79 271.27,88.79 273,87.06 288.74,87.06 D94.1 ; 252.73,87.69 246.41,87.69 D82.1 245.71,87.69 219.19,87.69 218.09,88.79 216.89,88.79 215.79,87.69 198.79,87.69 D70.1 198.09,87.69 181.09,87.69 179.99,88.79 178.79,88.79 177.69,87.69 151.16,87.69 D58.1 150.46,87.69 133.46,87.69 ; 133.46,87.69 132.36,88.79 ; 133.46,87.69 132.36,88.79 ; 132.36,88.79 131.16,88.79 130.06,87.69 113.06,87.69 D34.1 112.36,87.69 85.84,87.69 84.74,88.79 83.54,88.79 82.44,87.69 65.44,87.69 D22.1 64.74,87.69 47.74,87.69 46.64,88.79 45.44,88.79 44.69,88.04 D10.1 ; U1.21 254.77,42.49 252.73,44.53 v1(252.73,44.58)
ROW2: length 278.9
  Top w0.2: v1(271.22,63.24) 271.22,55.19 271.21,55.18 ; 271.21,55.18 v1(269.75,53.72) ; 271.21,55.18 271.22,55.19
  Bottom w0.2: v1(269.75,53.72) 271.22,52.25 271.22,46.81 268.4,43.99 U1.37 ; v1(271.22,63.24) 271.02,63.04 243.84,63.04 241.9,64.98 240.7,64.98 239.6,63.88 217.84,63.88 217.49,64.23 217.14,63.88 200.14,63.88 199.04,64.98 197.84,64.98 196.74,63.88 179.74,63.88 179.39,64.23 179.04,63.88 162.04,63.88 160.94,64.98 159.74,64.98 158.64,63.88 141.64,63.88 141.29,64.23 140.94,63.88 123.94,63.88 122.84,64.98 121.64,64.98 120.43,63.77 103.65,63.77 103.19,64.23 102.73,63.77 85.94,63.77 84.74,64.98 83.54,64.98 82.44,63.88 65.44,63.88 65.09,64.23 64.74,63.88 47.74,63.88 46.64,64.98 45.44,64.98 44.69,64.23 22.22,64.23
ROW3: length 293.8
  Top w0.2: v1(243.34,64.39) 243.34,46.36 v1(242.4,45.43)
  Bottom w0.2: 123.94,44.83 140.94,44.83 D61.1 141.29,45.15 141.6,44.83 158.64,44.83 159.74,45.93 160.94,45.93 162.04,44.83 179.04,44.83 D73.1 179.74,44.83 196.74,44.83 197.84,45.93 199.04,45.93 200.14,44.83 217.14,44.83 D85.1 217.49,45.15 217.8,44.83 239.6,44.83 240.7,45.93 241.9,45.93 v1(242.4,45.43) 243,44.83 248.02,44.83 252.36,40.49 U1.17 ; 123.94,44.83 122.84,45.93 ; 123.94,44.83 122.84,45.93 ; 122.84,45.93 121.64,45.93 120.54,44.83 103.54,44.83 D37.1 102.84,44.83 85.84,44.83 84.74,45.93 83.54,45.93 82.44,44.83 65.44,44.83 D25.1 64.74,44.83 47.74,44.83 46.64,45.93 45.44,45.93 44.69,45.18 D13.1 ; 269.88,64.23 269.09,63.44 244.28,63.44 v1(243.34,64.39)
ROW4: length 295.7
  Top w0.2: v1(271.55,43.47) 273.18,41.84 v1(273.18,26.88)
  Bottom w0.2: U1.43 268.79,40.99 271.27,43.47 v1(271.55,43.47) ; D98.1 278.63,26.13 277.88,26.88 v1(273.18,26.88) 240.7,26.88 239.6,25.78 217.8,25.78 217.49,26.1 D86.1 217.14,25.78 200.14,25.78 199.04,26.88 197.84,26.88 196.74,25.78 179.74,25.78 D74.1 179.04,25.78 162.04,25.78 160.94,26.88 159.74,26.88 158.64,25.78 141.64,25.78 D62.1 140.94,25.78 123.94,25.78 122.84,26.88 121.64,26.88 120.54,25.78 103.54,25.78 D38.1 102.84,25.78 85.84,25.78 84.74,26.88 83.54,26.88 82.44,25.78 65.44,25.78 D26.1 64.74,25.78 47.74,25.78 46.64,26.88 45.44,26.88 44.69,26.13 D14.1
ROW5: length 303.7
  Top w0.2: v1(272.01,6.93) 272.4,7.32 272.4,12.86 272.7,13.16 272.7,24.45 271.29,25.87 271.29,27.2 271.98,27.89 271.98,29.45 v1(271.78,29.65)
  Bottom w0.2: v1(271.78,29.65) 269.92,29.65 265.62,33.95 U1.2 ; D15.1 24.44,6.46 42.67,6.46 43.4,7.18 53.39,7.18 55.49,5.08 63.09,5.08 D27.1 65.55,6.62 82.33,6.62 83.54,7.83 84.74,7.83 87.08,5.49 D39.1 88.89,5.49 90.58,7.18 105.77,7.18 108.13,4.83 112.09,4.83 arc(112.85,4.98) 113.5,5.41 115.92,7.83 122.84,7.83 123.14,7.53 123.14,6.75 124.74,5.14 125.86,5.14 D63.1 129.79,5.49 131.47,7.18 141.72,7.18 146.3,2.59 148.78,2.59 154.02,7.83 160.94,7.83 162.04,6.73 179.04,6.73 D75.1 181.06,8.75 183.16,8.75 185.62,6.29 193.49,6.29 196.79,3 199.43,3 201.51,5.08 215.49,5.08 D87.1 236.84,7.08 238.79,5.13 244.15,5.13 245.26,6.24 247.78,6.24 248.26,6.73 269.52,6.73 D99.1 270.23,6.73 271.81,6.73 v1(272.01,6.93)
ROW6: length 302.1
  Top w0.2: v1(253.87,87.09) 253.9,87.09 254.45,86.54 254.45,69.85 253.73,69.13 253.73,44.78 v1(253.53,44.58)
  Bottom w0.2: D40.1 132.51,87.29 ; D40.1 131.01,87.29 84.89,87.29 D28.1 83.39,87.29 46.79,87.29 D16.1 ; D40.1 132.51,87.29 ; 132.51,87.29 178.64,87.29 D64.1 180.14,87.29 216.74,87.29 D76.1 218.24,87.29 253.11,87.29 ; v1(253.53,44.58) 255.11,42.99 U1.22 ; 253.11,87.29 253.67,87.29 v1(253.87,87.09) 254.07,87.29 254.38,87.29 ; 253.11,87.29 254.38,87.29 ; D100.1 291.1,86.66 272.05,86.66 D88.1 269.92,87.29 254.38,87.29
ROW8: length 280.7
  Top w0.2: v1(250.33,44.58) 250.33,44.63 252.13,46.43 252.13,62.24 v1(251.93,62.44)
  Bottom w0.2: v1(250.33,44.58) 250.33,44.53 253.87,40.99 U1.18 ; 251.71,62.64 242.89,62.64 241.3,64.23 240.55,63.48 199.19,63.48 198.44,64.23 197.69,63.48 161.09,63.48 160.34,64.23 159.59,63.48 123.27,63.48 122.52,64.23 ; 251.71,62.64 252.22,62.64 ; 251.71,62.64 251.91,62.44 v1(251.93,62.44) 252.13,62.64 252.22,62.64 ; 46.04,64.23 46.79,63.48 83.39,63.48 84.14,64.23 85,63.37 121.38,63.37 122.24,64.23 122.64,63.83 ; 252.22,62.64 D102.1
ROW9: length 285.8
  Top w0.2: v1(244.16,64.41) 244.01,64.26 244.01,64.16 243.74,63.88 243.74,45.91 242.46,44.63 v1(242.32,44.63)
  Bottom w0.2: U1.16 252.29,39.99 247.85,44.43 242.52,44.43 v1(242.32,44.63) 241.77,45.18 D91.1 240.55,44.43 199.19,44.43 D79.1 197.69,44.43 161.09,44.43 D67.1 159.59,44.43 122.99,44.43 D43.1 121.49,44.43 84.89,44.43 D31.1 83.39,44.43 46.79,44.43 D19.1 ; 288.92,64.23 287.74,63.04 272.41,63.04 270.47,64.98 269.28,64.98 268.14,63.84 244.73,63.84 v1(244.16,64.41)
ROW10: length 289.5
  Top w0.2: v1(273.3,5.73) 273.2,5.83 273.2,12.53 273.5,12.83 273.5,25.07 v1(272.29,26.28) 272.29,27.07 272.78,27.56 272.78,38.92 v1(272.58,39.12)
  Bottom w0.2: v1(273.3,5.73) 273.5,5.93 288.16,5.93 289.39,4.7 D104.1 ; D20.1 46.79,25.38 83.39,25.38 D32.1 84.23,26.13 84.98,25.38 121.49,25.38 D44.1 122.97,25.4 123.44,25.4 123.46,25.38 159.59,25.38 D68.1 161.09,25.38 197.69,25.38 D80.1 199.19,25.38 240.55,25.38 D92.1 241.65,26.48 272.09,26.48 v1(272.29,26.28) ; U1.45 269.55,39.99 270.42,39.12 v1(272.58,39.12)
ROW11: length 304.7
  Top w0.2: v1(272.6,6.34) 272.8,6.54 272.8,12.69 273.1,12.99 273.1,24.62 271.69,26.03 271.69,27.04 272.38,27.72 272.38,38.06 v1(271.92,38.52)
  Bottom w0.2: D21.1 42.07,5.29 43.56,6.78 53.22,6.78 55.32,4.68 63.25,4.68 64.79,6.22 83.28,6.22 D33.1 84.92,7.08 87.26,4.74 88.7,4.74 90.74,6.78 105.61,6.78 107.96,4.43 112.26,4.43 arc(113.02,4.58) 113.67,5.01 115.22,6.57 115.22,6.57 116.09,7.43 121.89,7.43 D45.1 124.58,4.74 126.8,4.74 127.15,5.09 129.95,5.09 131.64,6.78 141.55,6.78 146.14,2.19 148.95,2.19 154.19,7.43 159.99,7.43 D69.1 161.12,7.08 161.87,6.33 180.87,6.33 182.5,4.7 D81.1 185.3,4.7 187.4,2.59 199.59,2.59 201.68,4.68 215.65,4.68 217.3,6.33 218.09,6.33 218.44,6.68 236.68,6.68 238.62,4.74 244.31,4.74 245.42,5.84 247.3,5.84 D93.1 247.65,5.55 248.43,6.33 272.59,6.33 v1(272.6,6.34) 272.61,6.33 288.17,6.33 D105.1 ; v1(271.92,38.52) 271.72,38.72 270.26,38.72 269.48,39.49 U1.46
Net-(D10-A): length 5.1
  Bottom w0.2: MX10.2 15.37,93.44 D10.2
Net-(D12-A): length 5.1
  Bottom w0.2: D12.2 20.13,69.63 MX12.2
Net-(D13-A): length 5.1
  Bottom w0.2: D13.2 20.13,50.58 MX13.2
Net-(D14-A): length 5.1
  Bottom w0.2: MX14.2 20.13,31.53 D14.2
Net-(D15-A): length 32.6
  Bottom w0.2: MX15.125.2 4.83,5.68 4.83,12.81 5.93,13.91 11.36,13.91 12.52,12.75 18.28,12.75 MX15.2 20.13,12.48 22.22,10.38 D15.2
Net-(D16-A): length 5.1
  Bottom w0.2: D16.2 43.94,93.44 MX16.2
Net-(D18-A): length 5.1
  Bottom w0.2: MX18.2 43.94,69.63 D18.2
Net-(D19-A): length 5.1
  Bottom w0.2: MX19.2 43.94,50.58 D19.2
Net-(D20-A): length 5.1
  Bottom w0.2: D20.2 43.94,31.53 MX20.2
Net-(D21-A): length 8.3
  Bottom w0.2: D21.2 41.95,7.32 41.95,12.62 MX21.2
Net-(D22-A): length 5.1
  Bottom w0.2: MX22.2 62.99,93.44 D22.2
Net-(D24-A): length 5.1
  Bottom w0.2: MX24.2 62.99,69.63 D24.2
Net-(D25-A): length 5.1
  Bottom w0.2: D25.2 62.99,50.58 MX25.2
Net-(D26-A): length 5.1
  Bottom w0.2: MX26.2 62.99,31.53 D26.2
Net-(D27-A): length 31.4
  Top w0.2: v1(49.47,14.1) 49.36,14 49.36,11.58 49.64,11.3 49.64,6.97 47.12,4.44 v1(46.55,4.44)
  Bottom w0.2: v1(49.47,14.1) 54.23,14.1 55.57,12.76 61.14,12.76 MX27.2 62.99,12.48 D27.2
Net-(D28-A): length 5.1
  Bottom w0.2: MX28.2 82.04,93.44 D28.2
Net-(D30-A): length 5.1
  Bottom w0.2: D30.2 82.04,69.63 MX30.2
Net-(D31-A): length 5.1
  Bottom w0.2: D31.2 82.04,50.58 MX31.2
Net-(D32-A): length 5.1
  Bottom w0.2: D32.2 82.04,31.53 MX32.2
Net-(D33-A): length 5.1
  Bottom w0.2: D33.2 82.04,12.48 MX33.2
Net-(D34-A): length 5.1
  Bottom w0.2: D34.2 110.62,93.44 MX34.2
Net-(D36-A): length 5.1
  Bottom w0.2: MX36.2 101.09,69.63 D36.2
Net-(D37-A): length 5.1
  Bottom w0.2: D37.2 101.09,50.58 MX37.2
Net-(D38-A): length 5.1
  Bottom w0.2: D38.2 101.09,31.53 MX38.2
Net-(D39-A): length 15.8
  Bottom w0.2: D39.2 88.6,8.3 90.71,8.3 95.17,12.76 99.24,12.76 MX39.2
Net-(D40-A): length 5.1
  Bottom w0.2: D40.2 129.67,93.44 MX40.2
Net-(D42-A): length 5.1
  Bottom w0.2: D42.2 120.14,69.63 MX42.2
Net-(D43-A): length 5.1
  Bottom w0.2: MX43.2 120.14,50.58 D43.2
Net-(D44-A): length 5.1
  Bottom w0.2: MX44.2 120.14,31.53 D44.2
Net-(D45-A): length 35.7
  Top w0.2: v1(120.14,14.61) 117.73,12.19 v1(117.73,6.83)
  Bottom w0.2: v1(120.14,14.61) 120.14,12.48 D45.2 ; v1(117.73,6.83) 117.53,7.03 116.25,7.03 116.25,7.03 113.84,4.61 arc(113.19,4.18) 112.42,4.03 107.8,4.03 105.44,6.38 100.87,6.38 MX45.2.2
Net-(D58-A): length 5.1
  Bottom w0.2: MX58.2 148.72,93.44 D58.2
Net-(D60-A): length 5.1
  Bottom w0.2: D60.2 139.19,69.63 MX60.2
Net-(D61-A): length 5.1
  Bottom w0.2: D61.2 139.19,50.58 MX61.2
Net-(D62-A): length 5.1
  Bottom w0.2: D62.2 139.19,31.53 MX62.2
Net-(D63-A): length 24.1
  Top w0.2: v1(139.19,14.61) 139.66,14.14 139.66,7.07 v1(137.03,4.44) 134.3,7.18 131.76,7.18 v1(131.19,7.75)
  Bottom w0.2: D63.2 126.7,8.3 130.64,8.3 v1(131.19,7.75)
Net-(D64-A): length 5.1
  Bottom w0.2: MX64.2 177.29,93.44 D64.2
Net-(D66-A): length 5.1
  Bottom w0.2: D66.2 158.24,69.63 MX66.2
Net-(D67-A): length 5.1
  Bottom w0.2: D67.2 158.24,50.58 MX67.2
Net-(D68-A): length 5.1
  Bottom w0.2: MX68.2 158.24,31.53 D68.2
Net-(D69-A): length 5.1
  Bottom w0.2: MX69.2 158.24,12.48 D69.2
Net-(D70-A): length 5.1
  Bottom w0.2: D70.2 196.34,93.44 MX70.2
Net-(D72-A): length 5.1
  Bottom w0.2: D72.2 177.29,69.63 MX72.2
Net-(D73-A): length 5.1
  Bottom w0.2: D73.2 177.29,50.58 MX73.2
Net-(D74-A): length 5.1
  Bottom w0.2: MX74.2 177.29,31.53 D74.2
Net-(D75-A): length 5.1
  Bottom w0.2: MX75.2 177.29,12.48 D75.2
Net-(D76-A): length 5.1
  Bottom w0.2: MX76.2 215.39,93.44 D76.2
Net-(D78-A): length 5.1
  Bottom w0.2: D78.2 196.34,69.63 MX78.2
Net-(D79-A): length 5.1
  Bottom w0.2: MX79.2 196.34,50.58 D79.2
Net-(D80-A): length 5.1
  Bottom w0.2: MX80.2 196.34,31.53 D80.2
Net-(D81-A): length 24.9
  Top w0.2: v1(196.34,14.61) 193.61,11.87 189.41,11.87 188.16,10.61 188.16,5.71 v1(189.42,4.44)
  Bottom w0.2: D81.2 183.35,8 185.45,5.9 187.97,5.9 v1(189.42,4.44)
Net-(D82-A): length 5.1
  Bottom w0.2: D82.2 243.97,93.44 MX82.2
Net-(D84-A): length 5.1
  Bottom w0.2: MX84.2 215.39,69.63 D84.2
Net-(D85-A): length 5.1
  Bottom w0.2: MX85.2 215.39,50.58 D85.2
Net-(D86-A): length 5.1
  Bottom w0.2: MX86.2 215.39,31.53 D86.2
Net-(D87-A): length 5.1
  Bottom w0.2: D87.2 215.39,12.48 MX87.2
Net-(D88-A): length 16.1
  Bottom w0.2: SWR1.S2 263.21,93.72 265.93,93.72 MX88.2 270.67,92.68 D88.2
Net-(D90-A): length 5.1
  Bottom w0.2: MX90.2 239.2,69.63 D90.2
Net-(D91-A): length 5.1
  Bottom w0.2: D91.2 239.2,50.58 MX91.2
Net-(D92-A): length 5.1
  Bottom w0.2: D92.2 239.2,31.53 MX92.2
Net-(D93-A): length 37.7
  Top w0.2: v1(225.68,13.97) 225.58,13.87 225.58,8.77 v1(229.9,4.44)
  Bottom w0.2: D93.2 245.02,8.79 MX93.2 239.01,14.6 236.68,12.27 232.53,12.27 230.48,14.31 227.96,14.31 227.62,13.97 v1(225.68,13.97)
Net-(D94-A): length 16.1
  Bottom w0.2: D94.2 289.72,92.68 MX94.2 284.98,93.72 282.26,93.72 SWR2.S2
Net-(D97-A): length 5.1
  Bottom w0.2: MX97.2 267.78,69.63 D97.2
Net-(D98-A): length 5.1
  Bottom w0.2: D98.2 286.83,31.53 MX98.2
Net-(D99-A): length 5.1
  Bottom w0.2: MX99.2 267.78,12.48 D99.2
Net-(D100-A): length 29.4
  Bottom w0.2: D100.2 292.92,88.14 301.04,88.14 305.88,92.98 MX100.2 304.03,93.72 301.31,93.72 SWR3.S2
Net-(D102-A): length 15.8
  Bottom w0.2: MX102.2 304.03,69.91 299.95,69.91 295.5,65.45 293.39,65.45 D102.2
Net-(D103-A): length 5.1
  Bottom w0.2: MX103.2 286.83,69.63 D103.2
Net-(D104-A): length 15.7
  Bottom w0.2: D104.2 295.16,8 299.92,12.75 304.03,12.75 MX104.2
Net-(D105-A): length 5.1
  Bottom w0.2: D105.2 286.83,12.48 MX105.2
Net-(MX13-LEDGND): length 4.4
  Top w0.2: R2.1 15.56,41.91 MX13.4
Net-(MX94-LEDGND): length 7.8
  Top w0.2: R3.1 284.89,83.93 283.41,85.41 MX94.4

## Copper pours and planes (outline as drawn; the poured copper is in the pictures)
GND on Top, Bottom: 0,100.01 0,0 309.56,0 309.56,100.01

## Text on the board
B.Silkscreen: RESET | BOOT
F.Silkscreen: TKLish 80 (Rev 2) / Designed by dcpedit / github.com/dcpedit/tklish
